# Altium PCB ReconProbe.PcbDoc (part 4 of 4)
Units mm, origin at the board's own origin, x right, y up, seen from the top; angles counter-clockwise.
Board outline 177 x 102.23 mm, 4 copper layers (Top Layer, Layer 2, Layer 3, Bottom Layer), stack 1.624 mm thick; 383 components, 277 nets, 1385 pads, 589 vias.
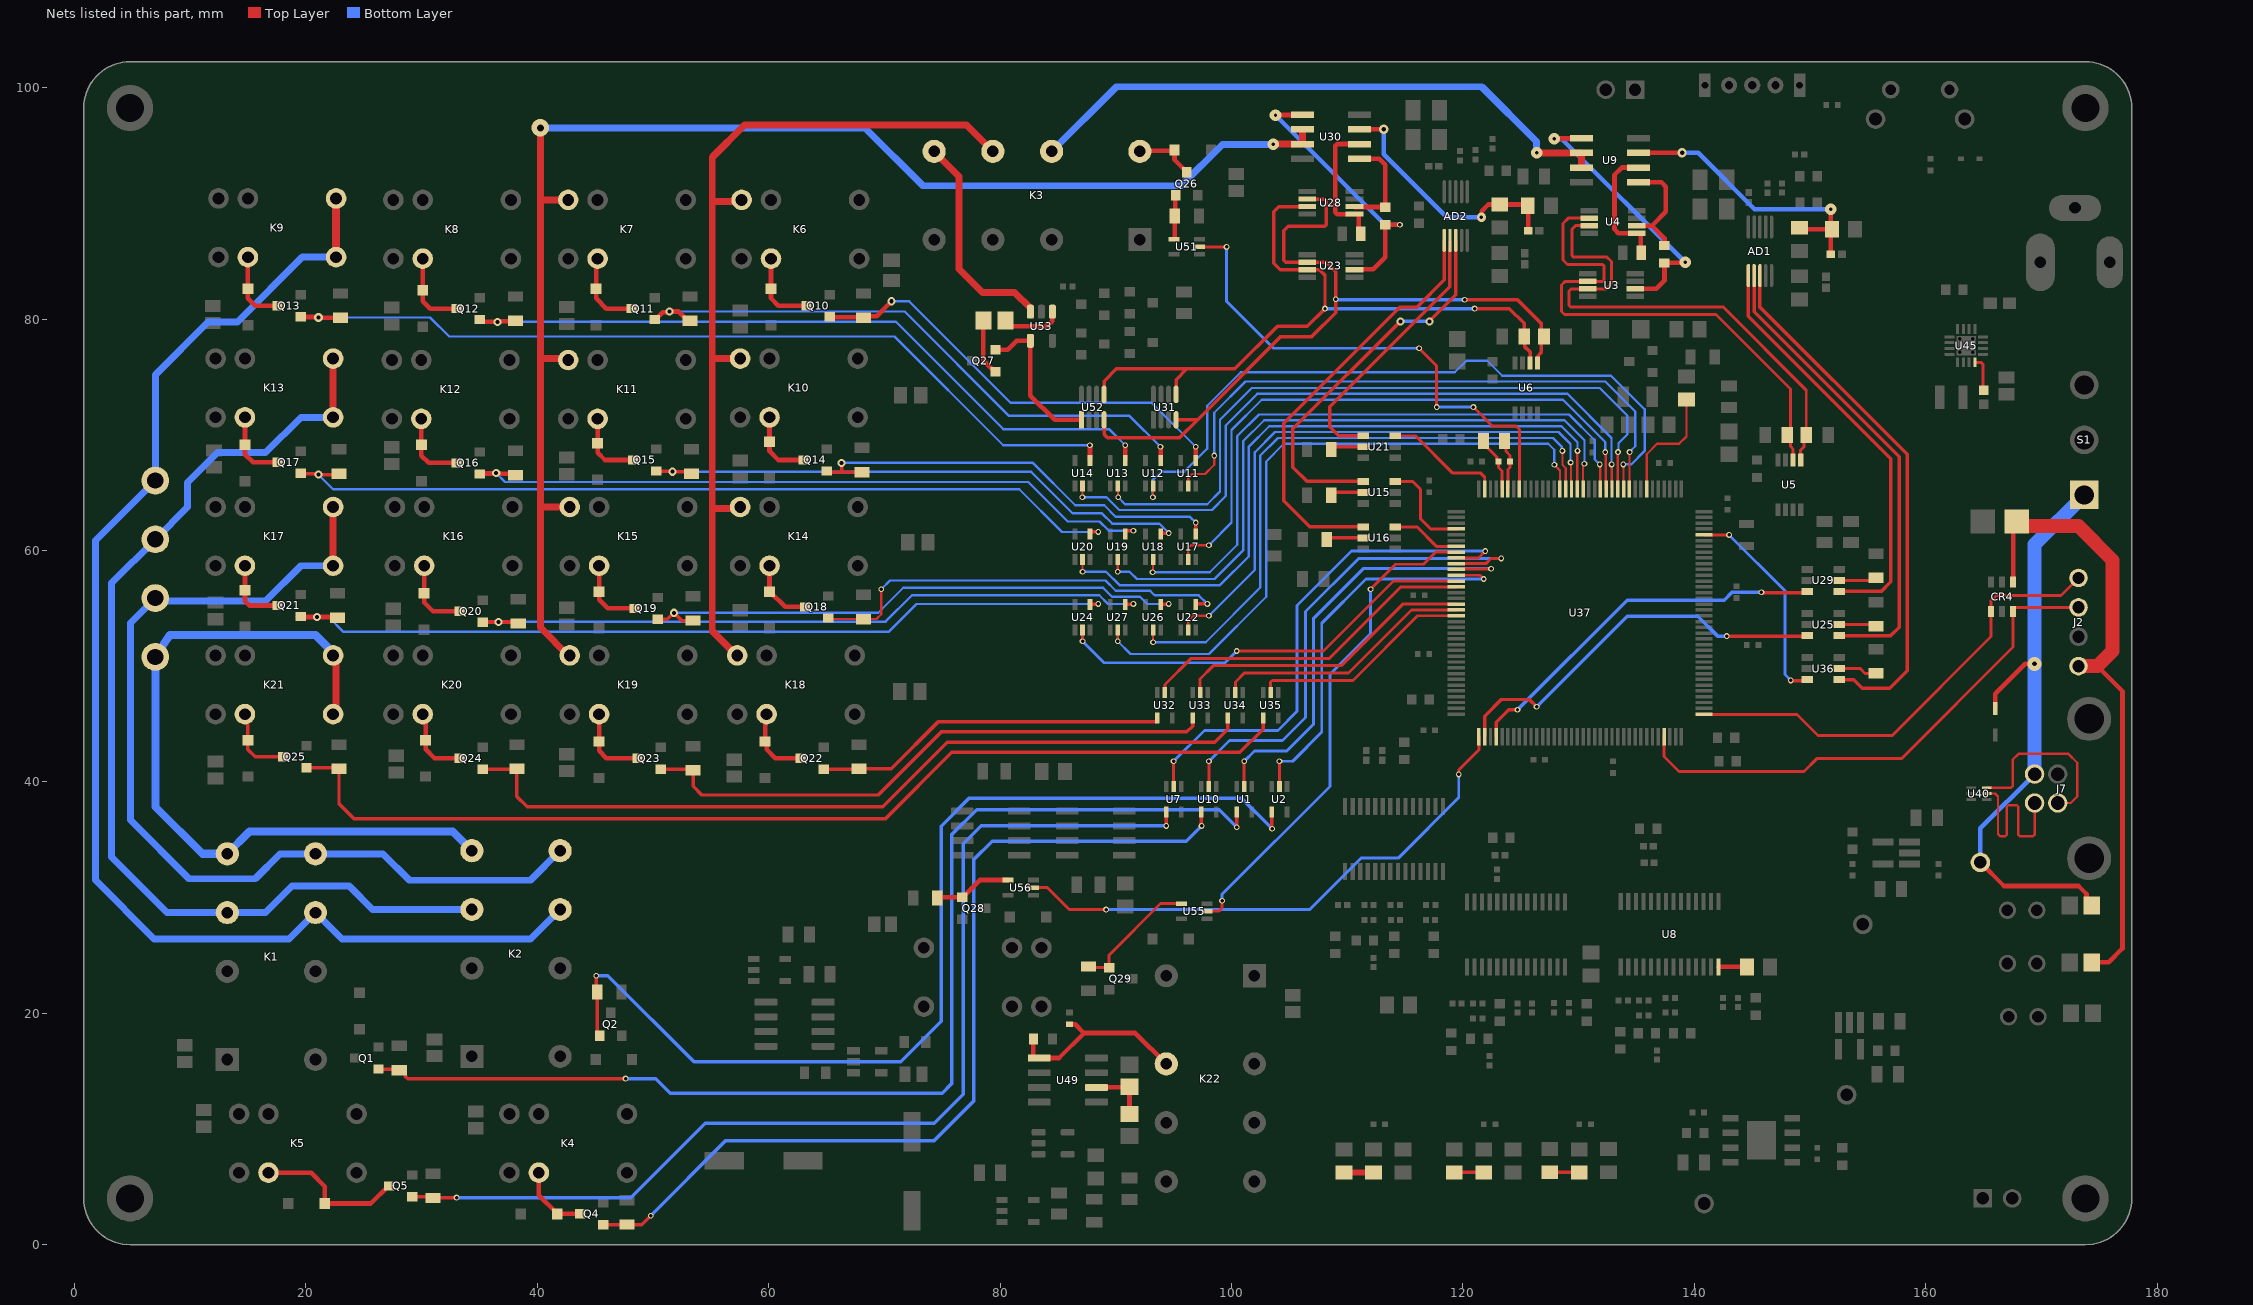
[diagram p6: the nets of this part, all layers, seen from the top]

## Via types
v1: diameter 0.5, hole 0.3, Top Layer to Bottom Layer, 283 vias
v2: diameter 0.7, hole 0.3, Top Layer to Bottom Layer, 155 vias
v3: diameter 0.7, hole 0.35, Top Layer to Bottom Layer, 85 vias
v4: diameter 1, hole 0.3, Top Layer to Bottom Layer, 24 vias
v5: diameter 0.8, hole 0.3, Top Layer to Bottom Layer, 16 vias
v6: diameter 1.2, hole 0.3, Top Layer to Bottom Layer, 7 vias
v7: diameter 0.8, hole 0.4, Top Layer to Bottom Layer, 4 vias
v8: diameter 1, hole 0.35, Top Layer to Bottom Layer, 4 vias
v9: diameter 1, hole 0.4, Top Layer to Bottom Layer, 4 vias
v10: diameter 1.2, hole 0.5, Top Layer to Bottom Layer, 2 vias
v11: diameter 1.5, hole 0.6, Top Layer to Bottom Layer, 2 vias
v12: diameter 1.2, hole 0.35, Top Layer to Bottom Layer, 1 vias
v13: diameter 1.2, hole 0.4, Top Layer to Bottom Layer, 1 vias
v14: diameter 0.8, hole 0.35, Top Layer to Bottom Layer, 1 vias

## Nets (pads, with @x,y where several pads share a name; then routed paths per layer and width w, separated by ;. In a path a pad name is that pad's centre, name@x,y a point inside that pad or via, vN(x,y) a via of type N, cw(c..) or ccw(c..) an arc to the next point about the centre after c; other vN are vias at no path point) (continued)
NetQ27_1: Q27.1 R68.2 | length 4.9
  Top Layer w0.4: R68.2@78.552,79.883 78.552,76.448 79.55,75.45 Q27.1@79.6,75.45
NetQ27_2: Q27.2 U52.1 U53.4 | length 13.4
  Top Layer w0.4: Q27.2@79.6,77.35 80.65,77.35 81.42,78.12 U53.4@82.616,78.12 82.616,73.384 84.71,71.29 U52.1@87.036,71.29
NetR10_2: R10.2 U15.5 | length 2.9
  Top Layer w0.3: R10.2@108.619,64.77 108.873,65.024 U15.5@111.401,65.024
NetR11_1: R11.1 U45.4 | length 3.1
  Top Layer w0.25: U45.4@164.25,76.225 164.815,76.225 164.961,76.079 164.961,74.121 R11.1@165.239,73.843
NetR12_2: R12.2 U16.5 | length 3
  Top Layer w0.3: R12.2@108.492,60.96 108.619,61.087 U16.5@111.401,61.087
NetR13_2: R13.2 U21.5 | length 2.9
  Top Layer w0.3: R13.2@108.619,68.707 108.873,68.961 U21.5@111.401,68.961
NetR14_2: R14.2 U25.5 | length 3.3
  Top Layer w0.254: U25.5@152.505,53.594 155.541,53.594 R14.2@155.702,53.433
NetR17_2: R17.2 U29.5 | length 3.3
  Top Layer w0.254: U29.5@152.505,57.404 155.482,57.404 R17.2@155.702,57.624
NetR19_2: R19.2 U36.5 | length 3.4
  Top Layer w0.254: U36.5@152.505,49.784 154.344,49.784 154.759,49.369 R19.2@155.702,49.369
NetR20_1: R20.1 R21.2 | length 2.5
  Top Layer w0.5: R20.1@109.728,6.223 109.736,6.231 112.26,6.231 R21.2@112.268,6.239
NetR28_1: R28.1 R30.2 | length 2.5
  Top Layer w0.3: R28.1@119.253,6.239 121.777,6.239 R30.2@121.793,6.223
NetR41_2: R41.2 U8.14 | length 2.5
  Top Layer w0.4: U8.14@142.091,24.003 R41.2@144.542,24.003
NetR60_2: R60.2 R61.2 U49.6 | length 5.1
  Top Layer w0.4: U49.6@88.322,13.589 91.12,13.589 91.186,13.523 R61.2@91.186,11.303
NetR68_1: R68.1 U53.1 | length 5.3
  Top Layer w0.4: R68.1@80.452,79.883 80.452,79.875 R68.1@80.952,79.375 ; R68.1@80.952,79.502 R68.1@80.952,79.375 ; U53.1@84.516,80.575 84.516,79.817 84.074,79.375 R68.1@80.952,79.375
NetR74_1: R74.1 R75.2 | length 2.5
  Top Layer w0.3: R74.1@127.508,6.255 130.032,6.255 R75.2@130.048,6.239
OP1INV1: R8.2 U4.5 U9.2 | length 11.1
  Top Layer w0.4: U9.2@135.179,93.091 133.731,93.091 133.096,92.456 133.096,87.757 133.436,87.417 135.303,87.417 135.382,87.338 R8.2@135.382,85.717
OP1NINV1: C7.1 R9.1 R67.1 U9.3 | length 25.5
  Top Layer w0.4: U9.3@135.179,94.361 v7(138.938,94.361) ; R9.1@149.098,87.884 149.225,87.757 R67.1@151.892,87.757 ; C7.1@151.794,85.598 151.794,87.659 R67.1@151.892,87.757 ; v4(151.8,89.5) 151.8,87.849 R67.1@151.892,87.757
  Bottom Layer w0.4: v7(138.938,94.361) 140.339,94.361 145.2,89.5 v4(151.8,89.5)
OP1OF: C8.2 U3.6 U9.5 | length 24.3
  Top Layer w0.3: v4(127.893,95.57) v4@127.923,95.601 ; U9.5@130.221,95.601 U9.5@130.251,95.631
  Top Layer w0.4: v4@127.923,95.601 U9.5@130.221,95.601 ; U3.6@134.887,82.606 136.708,82.606 137.414,83.312 C8.2@137.414,84.848 137.438,84.824 137.488,84.874 139.174,84.874 v4(139.2,84.9)
  Bottom Layer w0.4: v4(127.893,95.57) 127.921,95.542 128.558,95.542 v4(139.2,84.9)
OP1OUT1: C8.1 U4.6 U9.1 | length 9.9
  Top Layer w0.4: U4.6@135.013,88.067 136.342,88.067 ; U9.1@135.179,91.821 137.16,91.821 137.541,91.44 137.541,89.266 136.342,88.067 ; C8.1@137.414,86.348 137.414,86.995 136.342,88.067
OP2INV1: R15.1 U28.5 U30.2 | length 11.7
  Top Layer w0.4: R15.1@110.998,87.32 110.998,88.989 110.919,89.068 109.127,89.068 108.966,89.229 108.966,94.962 109.127,95.123 U30.2@111.049,95.123
OP2NINV1: C16.1 R18.1 R81.2 U30.3 | length 21.2
  Top Layer w0.4: U30.3@111.938,96.393 v7(113.157,96.393) ; v5(121.6,88.8) 121.626,88.826 121.626,89.326 122.2,89.9 R18.1@123.19,89.9 ; R18.1@123.065,89.9 125.492,89.9 125.632,89.76 C16.1@125.632,87.63
  Bottom Layer w0.4: v7(113.157,96.393) 113.157,94.243 118.6,88.8 v5(121.6,88.8)
OP2OF: C17.2 U23.6 U30.5 | length 24.7
  Top Layer w0.3: v4(103.8,97.6) v4@103.831,97.631 ; U30.5@106.09,97.631 U30.5@106.121,97.663
  Top Layer w0.4: v4@103.831,97.631 U30.5@106.09,97.631 ; U23.6@110.087,84.294 112.234,84.294 113.284,85.344 C17.2@113.284,88.15 113.29,88.144 114.548,88.144 v1(114.554,88.138)
  Bottom Layer w0.4: v4(103.8,97.6) 113.262,88.138 v1(114.554,88.138)
OP2OUT1: C17.1 U28.6 U30.1 | length 8.8
  Top Layer w0.4: U28.6@110.629,89.718 110.663,89.684 113.25,89.684 C17.1@113.284,89.65 113.284,93.345 112.776,93.853 U30.1@111.049,93.853
PROBE1: K1.3 K2.3 K9.3 K9.4 pad.5@6.985,66.04 | length 116
  Top Layer w0.7: K9.3@22.606,85.344 K9.4@22.606,90.424
  Bottom Layer w0.6: K9.3@22.606,85.344 19.685,85.344 14.097,79.756 11.556,79.756 6.985,75.185 pad.5@6.985,66.04 1.8,60.855 1.8,31.5 6.884,26.416 18.542,26.416 K1.3@20.828,28.702 23.114,26.416 39.416,26.416 K2.3@41.967,28.967
PROBE2: K1.6 K2.6 K13.3 K13.4 pad.5@6.985,60.96 | length 90
  Top Layer w0.6: K13.3@22.352,71.501 K13.4@22.352,76.581
  Bottom Layer w0.6: K13.3@22.352,71.501 19.558,71.501 16.51,68.453 12.353,68.453 9.779,65.879 9.779,63.754 pad.5@6.985,60.96 3.2,57.175 3.2,33.503 8.001,28.702 K1.6@13.208,28.702 16.51,28.702 18.796,30.988 23.749,30.988 25.77,28.967 K2.6@34.347,28.967
PROBE3: K1.4 K2.4 K17.3 K17.4 pad.5@6.985,55.88 | length 84.2
  Top Layer w0.6: K17.3@22.352,58.42 K17.3@22.352,58.674 K17.4@22.352,63.754 K17.4@22.352,63.825
  Bottom Layer w0.6: pad.5@6.985,55.626 16.51,55.626 19.558,58.674 K17.3@22.352,58.674 ; pad.5@6.985,55.88 4.826,53.721 4.826,36.703 9.906,31.623 15.621,31.623 17.78,33.782 K1.4@20.828,33.782 26.67,33.782 28.956,31.496 39.416,31.496 K2.4@41.967,34.047
PROBE4: K1.5 K2.5 K21.3 K21.4 pad.5@6.985,50.8 | length 65.9
  Top Layer w0.6: K21.3@22.606,45.847 K21.4@22.606,50.927
  Bottom Layer w0.7: K21.4@22.606,50.927 20.828,52.705 8.255,52.705 pad.5@6.985,50.8 6.985,37.846 11.049,33.782 K1.5@13.208,33.782 15.126,35.7 32.694,35.7 K2.5@34.347,34.047
PROBE_V1: K3.3 K6.6 K10.6 K14.6 K18.6 | length 77.9
  Top Layer w0.6: K14.6@57.128,63.903 K14.6@57.277,63.754 ; K18.6@57.15,50.927 57.15,51.004 55.118,53.036 55.118,63.627 ; K14.6@57.531,63.754 57.404,63.627 55.118,63.627 ; K10.6@57.531,76.581 55.118,76.581 ; K6.6@57.658,90.297 57.531,90.17 55.118,90.17 ; K3.3@79.375,94.488 77.089,96.774 57.912,96.774 55.118,93.98 55.118,90.17 ; 55.118,63.627 55.118,76.581 ; 55.118,76.581 55.118,90.17
PROBE_V2: K7.6 K11.6 K15.6 K19.6 U30.6 U30.7 | length 124.9
  Top Layer w0.6: v11(40.259,96.52) 40.259,90.297 ; K11.6@42.672,76.454 42.523,76.603 40.364,76.603 40.259,76.708 ; K7.6@42.672,90.297 40.259,90.297 ; K19.6@42.799,50.8 40.259,53.34 40.259,63.754 ; K15.6@42.799,63.754 40.259,63.754 ; v4(103.6,95.1) 103.611,95.111 106.11,95.111 U30.7@106.121,95.123 U30.6@106.121,96.372 ; 40.259,63.754 40.259,76.708 ; 40.259,76.708 40.259,90.297
  Bottom Layer w0.6: v11(40.259,96.52) 68.326,96.52 73.33,91.516 95.616,91.516 99.2,95.1 v4(103.6,95.1)
Rel1: D9.1 K6.2 Q10.3 | length 6.8
  Top Layer w0.4: K6.2@60.198,85.217 D9.1@60.198,82.601 60.198,81.788 60.833,81.153 Q10.3@63.262,81.153
Rel2: D7.1 K7.2 Q11.3 | length 6.9
  Top Layer w0.4: K7.2@45.212,85.217 45.085,85.09 D7.1@45.085,82.601 45.085,81.788 45.974,80.899 Q11.3@48.149,80.899
Rel3: D8.1 K8.2 Q12.3 | length 6.9
  Top Layer w0.4: K8.2@30.099,85.217 D8.1@30.099,82.474 30.099,81.534 30.734,80.899 Q12.3@33.036,80.899
Rel4: D6.1 K9.2 Q13.3 | length 6.4
  Top Layer w0.4: K9.2@14.986,85.344 D6.1@14.986,82.601 14.986,81.788 15.621,81.153 Q13.3@17.542,81.153
Rel5: D13.1 K10.2 Q14.3 | length 6.2
  Top Layer w0.4: K10.2@60.071,71.501 D13.1@60.071,69.393 60.071,68.58 60.833,67.818 Q14.3@63.008,67.818
Rel6: D11.1 K11.2 Q15.3 | length 6.2
  Top Layer w0.4: K11.2@45.212,71.374 D11.1@45.212,69.266 45.212,68.453 45.847,67.818 Q15.3@48.276,67.818
Rel7: D12.1 K12.2 Q16.3 | length 6.5
  Top Layer w0.4: K12.2@29.972,71.374 D12.1@29.972,69.139 29.972,68.199 30.607,67.564 Q16.3@33.036,67.564
Rel8: D10.1 K13.2 Q17.3 | length 6.3
  Top Layer w0.4: K13.2@14.732,71.501 D10.1@14.732,69.139 14.732,68.326 15.433,67.625 Q17.3@17.558,67.625
Rel9: D17.1 K14.2 Q18.3 | length 5.8
  Top Layer w0.4: K14.2@60.071,58.674 D17.1@60.071,56.439 60.096,56.439 61.417,55.118 Q18.3@63.135,55.118
Rel10: D15.1 K15.2 Q19.3 | length 6.3
  Top Layer w0.4: K15.2@45.339,58.674 D15.1@45.339,56.439 45.363,56.415 45.363,55.729 46.101,54.991 Q19.3@48.403,54.991
Rel11: D16.1 K16.2 Q20.3 | length 6.6
  Top Layer w0.4: K16.2@30.226,58.674 D16.1@30.226,56.312 30.226,55.499 30.988,54.737 Q20.3@33.29,54.737
Rel12: D14.1 K17.2 Q21.3 | length 5.8
  Top Layer w0.4: K17.2@14.732,58.674 D14.1@14.732,56.566 14.732,55.626 15.113,55.245 Q21.3@17.288,55.245
Rel13: D21.1 K18.2 Q22.3 | length 6.4
  Top Layer w0.4: K18.2@59.69,45.847 D21.1@59.69,43.485 59.82,43.355 59.82,42.796 60.579,42.037 Q22.3@62.754,42.037
Rel14: D19.1 K19.2 Q23.3 | length 6.8
  Top Layer w0.4: K19.2@45.339,45.847 D19.1@45.339,43.485 45.339,42.672 45.974,42.037 Q23.3@48.657,42.037
Rel15: D20.1 K20.2 Q24.3 | length 6.4
  Top Layer w0.4: K20.2@30.099,45.847 30.353,45.593 D20.1@30.353,43.612 30.353,42.799 31.115,42.037 Q24.3@33.29,42.037
Rel16: D18.1 K21.2 Q25.3 | length 6.5
  Top Layer w0.3: D18.1@14.982,43.612 K21.2@14.982,45.597 ; D18.1@15.011,43.612 D18.1@14.986,43.612 14.986,42.799 15.621,42.164 Q25.3@18.05,42.164
  Top Layer w0.4: K21.2@14.732,45.847 K21.2@14.982,45.597
REL17: D4.1 K5.2 Q5.3 | length 13
  Top Layer w0.4: K5.2@16.764,6.223 20.447,6.223 21.641,5.029 D4.1@21.641,3.556 25.62,3.556 27.144,5.08 Q5.3@27.194,5.08
REL18: D5.1 K4.2 Q4.3 | length 6.2
  Top Layer w0.4: K4.2@40.132,6.223 40.132,4.267 41.707,2.692 D5.1@41.707,2.667 Q4.3@43.704,2.667
REL21: D24.1 K3.1 Q26.3 | length 5.4
  Top Layer w0.4: K3.1@92.075,94.488 92.138,94.551 95.008,94.551 D24.1@95.072,94.615 95.072,93.761 95.889,92.944 95.939,92.944 96.139,92.744 Q26.3@96.139,92.694
SL_SPI1_NSS: AD2.8 U15.4 | length 33.5
  Top Layer w0.3: U15.4@111.401,65.974 106.526,65.974 105.3,67.2 105.3,70.5 v3(114.6,79.8) ; v3(117.1,79.8) 119.38,82.08 AD2.8@119.38,86.791
  Bottom Layer w0.3: v3(114.6,79.8) v3(117.1,79.8)
SL_SPI1_SCK: AD2.7 U21.4 | length 23.4
  Top Layer w0.3: U21.4@111.274,69.911 109.264,69.911 108.501,70.674 108.501,72.401 118.872,82.772 118.872,85.942 118.88,85.95 AD2.7@118.88,86.71
SL_SPI1_SDA: AD2.6 U16.4 | length 37
  Top Layer w0.3: U16.4@111.401,62.037 106.746,62.037 104.5,64.283 104.5,71 114.526,81.026 116.026,81.026 118.38,83.38 AD2.6@118.38,86.8
SL_SPI2_NSS: AD1.8 U36.4 | length 47
  Top Layer w0.3: AD1.8@145.669,84.514 145.669,81.026 158.4,68.295 158.4,49.6 156.9,48.1 154.5,48.1 153.766,48.834 U36.4@152.505,48.834
SL_SPI2_SCK: AD1.7 U25.4 | length 41.8
  Top Layer w0.3: AD1.7@145.169,84.514 145.169,80.631 157.7,68.1 157.7,53.372 156.972,52.644 U25.4@152.505,52.644
SL_SPI2_SDA: AD1.6 U29.4 | length 37.1
  Top Layer w0.3: AD1.6@144.669,84.514 144.669,80.231 156.972,67.928 156.972,57.277 156.149,56.454 U29.4@152.505,56.454
SLI2C1_SCL: R3.2 U3.2 U4.2 U5.6 | length 45.8
  Top Layer w0.25: U4.2@130.925,88.717 129.103,88.717 128.651,88.265 128.651,85.09 129.032,84.709 132.075,84.709 132.207,84.577 132.207,83.388 132.075,83.256 128.849,83.256 128.524,82.931 128.524,80.645 128.778,80.391 141.859,80.391 148.3,73.95 148.3,70.26 R3.2@148.017,69.977 148.324,69.67 148.324,68.973 148.534,68.763 U5.6@148.534,67.805
SLI2C1_SDA: R4.2 U3.3 U4.3 U5.5 | length 44.5
  Top Layer w0.25: U4.3@130.925,88.067 129.723,88.067 129.413,87.757 129.413,85.476 129.545,85.344 132.461,85.344 132.842,84.963 132.842,83.058 132.39,82.606 U3.3@130.797,82.606 129.342,82.606 129.159,82.423 129.159,81.158 129.291,81.026 142.494,81.026 149.671,73.849 R4.2@149.671,69.977 149.479,69.785 149.479,68.961 149.184,68.666 U5.5@149.184,67.805
SLI2C3_SCL: R6.2 U6.5 U23.2 U28.2 U31.4 U52.4 | length 68.8
  Top Layer w0.3: U52.4@88.986,71.29 88.986,70.018 89.281,69.723 95.504,69.723 97.071,71.29 ; U31.4@95.209,71.29 97.071,71.29 ; U28.2@106.541,90.368 108.006,90.368 108.204,90.17 108.204,88.172 108.043,88.011 104.902,88.011 104.521,87.63 104.521,85.09 104.704,84.907 U23.2@106.54,84.907 108.193,84.907 109,84.1 v1(109,81.7) 109,80.552 106.934,78.486 104.267,78.486 97.071,71.29 ; v1(120.142,81.661) 124.714,81.661 126.749,79.626 126.749,77.092 126.451,76.794 U6.5@126.451,76.187 U6.5@126.451,75.946
  Bottom Layer w0.3: v1(109,81.7) 109.02,81.68 120.123,81.68 v1(120.142,81.661)
SLI2C3_SDA: R5.2 U6.6 U23.3 U28.3 U31.5 U52.5 | length 62.5
  Top Layer w0.3: U52.5@88.986,73.49 88.986,74.635 90.043,75.692 96.139,75.692 ; U31.5@95.209,73.49 95.209,74.762 96.139,75.692 ; U28.3@106.541,89.718 104.069,89.718 103.632,89.281 103.632,84.836 104.211,84.257 U23.3@106.54,84.257 107.596,84.257 108.077,83.776 v1(108.077,80.899) 106.553,79.375 103.975,79.375 100.292,75.692 96.139,75.692 ; v1(120.999,80.9) 124.013,80.9 125.284,79.629 R5.2@125.284,78.486 ; R5.2@124.968,78.486 125.321,78.133 125.321,77.625 125.801,77.145 U6.6@125.801,76.187 U6.6@125.801,75.946
  Bottom Layer w0.3: v1(108.077,80.899) v1(120.999,80.9)
SNI1: U11.2 U37.10 | length 53.4
  Top Layer w0.2: U11.2@96.266,65.575 96.268,65.577 96.268,66.268 96.6,66.6 97.7,66.6 98.5,67.4 v1(98.5,68.2) ; U37.10@134.382,65.306 134.4,65.324 v1(134.4,68.5)
  Bottom Layer w0.2: v1(98.5,68.2) 98.5,71.9 101.2,74.6 132.3,74.6 134.9,72 134.9,69 v1(134.4,68.5)
SNI2: U12.2 U37.11 | length 61.2
  Top Layer w0.2: v1(93.2,64.596) 93.209,64.605 93.209,65.566 U12.2@93.218,65.575 ; v1(133.858,67.437) 133.87,67.425 133.87,65.318 U37.11@133.882,65.306
  Bottom Layer w0.2: v1(93.2,64.596) 93.2,66.1 93.9,66.8 95.9,66.8 97.9,68.8 97.9,72.5 100.8,75.4 119.3,75.4 120.3,76.4 122.1,76.4 123.4,75.1 132.8,75.1 135.7,72.2 135.7,68.6 134.537,67.437 v1(133.858,67.437)
SNI3: U13.2 U37.12 | length 60.7
  Top Layer w0.2: U13.2@90.17,65.575 90.185,65.56 90.185,64.611 v1(90.2,64.596) ; U37.12@133.382,65.306 133.382,68.482 v1(133.4,68.5)
  Bottom Layer w0.2: v1(90.2,64.596) 90.796,64 97.9,64 99,65.1 99,71.3 101.741,74.041 131.826,74.041 134.2,71.667 134.2,70.015 133.443,69.257 133.443,68.543 v1(133.4,68.5)
SNI4: U14.2 U37.13 | length 60.9
  Top Layer w0.2: v1(87.108,64.596) 87.122,64.61 U14.2@87.122,65.575 ; v1(132.842,67.437) 132.862,67.417 132.862,65.326 U37.13@132.882,65.306
  Bottom Layer w0.2: v1(87.108,64.596) 89.201,64.596 90.297,63.5 98.3,63.5 99.5,64.7 99.5,70.798 102.235,73.533 129.032,73.533 132.842,69.723 v1(132.842,67.437)
SNI5: U17.2 U37.14 | length 52.6
  Top Layer w0.2: U17.2@96.266,59.225 96.266,60.198 96.52,60.452 v1(98.044,60.452) ; v1(132.3,68.5) 132.341,68.459 132.341,65.347 U37.14@132.382,65.306
  Bottom Layer w0.2: v1(98.044,60.452) 100,62.408 100,70.409 102.616,73.025 128.651,73.025 132.3,69.376 v1(132.3,68.5)
SNI6: U18.2 U37.15 | length 55.8
  Top Layer w0.2: v1(93.172,58.12) 93.218,58.166 U18.2@93.218,59.225 ; v1(131.826,67.437) 131.854,67.409 131.854,65.334 U37.15@131.882,65.306
  Bottom Layer w0.2: v1(93.172,58.12) 98.125,58.12 100.5,60.495 100.5,69.893 102.362,71.755 129.159,71.755 131.4,69.514 131.4,67.863 v1(131.826,67.437)
SNI7: U19.2 U37.18 | length 57.8
  Top Layer w0.2: v1(90.17,58.166) U19.2@90.17,59.225 ; U37.18@130.382,65.306 130.382,67.301 130.5,67.419 v1(130.5,67.5)
  Bottom Layer w0.2: v1(90.17,58.166) 91.186,58.166 91.821,57.531 98.531,57.531 101,60 101,69.427 102.82,71.247 128.778,71.247 130.5,69.525 v1(130.5,67.5)
SNI8: U20.2 U37.19 | length 60.2
  Top Layer w0.2: v1(87.122,58.166) U20.2@87.122,59.225 ; U37.19@129.882,65.306 129.891,65.315 129.891,68.591 v1(129.9,68.6)
  Top Layer w0.25: U37.19@129.882,65.306 U37.19@129.91,65.278
  Bottom Layer w0.2: v1(87.122,58.166) 89.154,58.166 90.32,57 99,57 101.5,59.5 101.5,68.988 103.251,70.739 128.524,70.739 129.906,69.357 129.906,69.096 129.9,69.09 v1(129.9,68.6)
SNI9: U22.2 U37.20 | length 50.9
  Top Layer w0.2: U22.2@96.266,53.129 96.266,53.904 96.718,54.356 v1(98.044,54.356) ; v1(129.3,67.6) 129.341,67.559 129.341,65.347 U37.20@129.382,65.306
  Bottom Layer w0.2: v1(98.044,54.356) 102,58.312 102,68.472 103.759,70.231 128.27,70.231 129.3,69.201 v1(129.3,67.6)
SNI10: U26.2 U37.21 | length 54.5
  Top Layer w0.2: v1(93.218,52.07) U26.2@93.218,53.129 ; v1(128.6,68.6) 128.6,67.4 128.891,67.109 128.891,65.315 U37.21@128.882,65.306
  Bottom Layer w0.2: v1(93.218,52.07) 97.77,52.07 102.489,56.789 102.489,68.199 104.013,69.723 127.777,69.723 128.551,68.949 128.551,68.649 v1(128.6,68.6)
SNI11: U27.2 U37.22 | length 57.3
  Top Layer w0.2: v1(90.17,52.15) U27.2@90.17,53.129 ; v1(127.9,67.4) 128.382,66.918 U37.22@128.382,65.306
  Bottom Layer w0.2: v1(90.17,52.15) 91.266,51.054 98.054,51.054 102.997,55.997 102.997,67.691 104.521,69.215 127.381,69.215 127.9,68.696 v1(127.9,67.4)
SNI12: U24.2 U37.49 | length 37
  Top Layer w0.25: v1(87.122,52.15) U24.2@87.122,53.129 ; v1(100.457,51.308) 107.95,51.308 113.998,57.356 U37.49@119.432,57.356
  Bottom Layer w0.25: v1(87.122,52.15) 88.98,50.292 99.441,50.292 v1(100.457,51.308)
SNI13: U32.2 U37.50 | length 29.4
  Top Layer w0.25: U32.2@94.234,47.709 94.248,47.723 94.248,48.401 96.52,50.673 108.458,50.673 114.641,56.856 U37.50@119.432,56.856
SNI14: U33.2 U37.53 | length 26
  Top Layer w0.25: U33.2@97.282,47.709 97.282,48.895 98.425,50.038 109.474,50.038 114.792,55.356 U37.53@119.432,55.356
SNI15: U34.2 U37.54 | length 22.6
  Top Layer w0.25: U34.2@100.33,47.709 100.33,48.641 101.092,49.403 110.109,49.403 115.562,54.856 U37.54@119.432,54.856
SNI16: U35.2 U37.55 | length 19.3
  Top Layer w0.25: U35.2@103.378,47.709 103.378,48.622 103.524,48.768 110.49,48.768 116.078,54.356 U37.55@119.432,54.356
SNI17: U7.2 U37.45 | length 44.7
  Top Layer w0.25: U7.2@94.996,39.581 v1(94.996,41.783) ; U37.45@119.432,59.356 121.332,59.356 v1(121.92,59.944)
  Bottom Layer w0.25: v1(94.996,41.783) 97.663,44.45 104.013,44.45 105.664,46.101 105.664,55.245 110.363,59.944 v1(121.92,59.944)
SNI18: U10.2 U37.46 | length 44.2
  Top Layer w0.25: U10.2@98.044,39.581 v1(98.044,41.783) ; U37.46@119.432,58.856 121.975,58.856 122.428,59.309 v1(123.317,59.309)
  Bottom Layer w0.25: v1(98.044,41.783) 99.822,43.561 104.394,43.561 106.4,45.567 106.4,54.711 110.998,59.309 v1(123.317,59.309)
SNI19: U1.2 U37.47 | length 38.8
  Top Layer w0.254: U1.2@101.092,39.581 v1(101.092,41.783) ; U37.47@119.432,58.356 119.455,58.379 122.387,58.379 v1(122.428,58.42)
  Bottom Layer w0.254: v1(101.092,41.783) 101.981,42.672 104.775,42.672 107.1,44.997 107.1,54.141 111.379,58.42 v1(122.428,58.42)
SNI20: U2.2 U37.48 | length 34.4
  Top Layer w0.25: U2.2@104.14,39.581 v1(104.14,41.783) ; U37.48@119.432,57.856 121.468,57.856 v1(121.793,57.531)
  Bottom Layer w0.25: v1(104.14,41.783) 105.283,41.783 107.8,44.3 107.8,53.7 111.631,57.531 v1(121.793,57.531)
SNI21: U37.29 U51.2 | length 44.2
  Top Layer w0.25: U51.2@97.239,86.233 v1(99.568,86.233) ; v1(116.205,77.47) 117.729,75.946 v1(117.729,72.39) ; v1(120.904,72.39) 122.555,70.739 124.587,70.739 124.882,70.444 U37.29@124.882,65.306
  Bottom Layer w0.25: v1(99.568,86.233) 99.568,81.534 103.632,77.47 v1(116.205,77.47) ; v1(117.729,72.39) v1(120.904,72.39)
SNI22: U37.44 U55.2 | length 43
  Top Layer w0.25: U55.2@97.874,28.829 98.933,28.829 99.187,29.083 v1(99.187,29.718) ; v1(112.014,56.642) 114.173,58.801 116.586,58.801 117.641,59.856 U37.44@119.432,59.856
  Bottom Layer w0.25: v1(99.187,29.718) 99.187,30.287 108.5,39.6 108.5,49.3 112.014,52.814 v1(112.014,56.642)
SNI23: U37.73 U56.2 | length 47.5
  Top Layer w0.25: U56.2@82.888,30.861 84.074,30.861 85.979,28.956 v1(89.154,28.956) ; v1(119.634,40.64) 119.635,40.641 119.635,41.022 121.382,42.769 U37.73@121.382,43.906
  Bottom Layer w0.25: v1(89.154,28.956) 106.756,28.956 111.201,33.401 114.401,33.401 119.634,38.634 v1(119.634,40.64)
SNO1: Q10.1 R44.1 U11.4 | length 38.7
  Top Layer w0.4: Q10.1@65.262,80.203 65.312,80.153 68.149,80.153 R44.1@68.199,80.103 68.348,80.252 69.33,80.252 v3(70.612,81.534) ; v1(96.901,68.961) 96.916,68.946 U11.4@96.916,67.775
  Bottom Layer w0.2: v3(70.612,81.534) 72.136,81.534 80.899,72.771 93.091,72.771 v1(96.901,68.961)
SNO2: Q11.1 R45.1 U12.4 | length 52.1
  Top Layer w0.4: Q11.1@50.149,79.949 50.199,79.949 50.838,80.588 51.378,80.588 v3(51.435,80.645) 52.217,80.645 53.013,79.849 R45.1@53.213,79.849 ; v1(93.853,68.961) 93.868,68.946 U12.4@93.868,67.775
  Bottom Layer w0.2: v3(51.435,80.645) 71.755,80.645 80.772,71.628 91.186,71.628 v1(93.853,68.961)
SNO3: Q12.1 R46.2 U13.4 | length 63.1
  Top Layer w0.4: Q12.1@35.036,79.949 35.229,79.756 v3(36.576,79.756) 36.622,79.802 38.054,79.802 R46.2@38.1,79.849 ; v1(90.805,69.088) 90.82,69.073 U13.4@90.82,67.775
  Bottom Layer w0.2: v3(36.576,79.756) 70.993,79.756 80.264,70.485 89.408,70.485 v1(90.805,69.088)
SNO4: Q13.1 R47.2 U14.4 | length 76.1
  Top Layer w0.4: Q13.1@19.542,80.203 19.575,80.17 21.049,80.17 v14(21.082,80.137) 21.099,80.12 22.97,80.12 R47.2@22.987,80.103 ; v1(87.757,69.088) 87.772,69.073 U14.4@87.772,67.775
  Bottom Layer w0.2: v14(21.082,80.137) 30.734,80.137 32.385,78.486 70.866,78.486 80.264,69.088 v1(87.757,69.088)
SNO5: Q14.1 R48.2 U17.4 | length 37.6
  Top Layer w0.3: Q14.1@65.008,66.868 65.108,66.768 66.294,66.768 ; v3(66.294,67.564) 66.294,66.768 ; R48.2@68.072,66.768 66.294,66.768 ; v1(96.9,62.404) 96.908,62.396 96.908,61.433 U17.4@96.916,61.425
  Bottom Layer w0.2: v3(66.294,67.564) 82.836,67.564 86.5,63.9 89,63.9 90,62.9 96.404,62.9 v1(96.9,62.404)
SNO6: Q15.1 R49.2 U18.4 | length 48.9
  Top Layer w0.3: Q15.1@50.276,66.868 50.309,66.835 51.656,66.835 v3(51.689,66.802) 53.306,66.802 R49.2@53.34,66.768 ; U18.4@93.853,61.468 93.885,61.5 v1(94.572,61.5)
  Bottom Layer w0.2: v3(51.689,66.802) 82.677,66.802 86.279,63.2 88.8,63.2 89.7,62.3 93.772,62.3 v1(94.572,61.5)
SNO7: Q16.1 R50.2 U19.4 | length 61.2
  Top Layer w0.3: U19.4@90.82,61.425 90.82,61.65 90.87,61.7 v1(91.524,61.7)
  Top Layer w0.4: Q16.1@35.036,66.614 35.067,66.644 36.418,66.644 v3(36.449,66.675) 36.506,66.618 38.077,66.618 R50.2@38.086,66.627
  Bottom Layer w0.2: v3(36.449,66.675) 37.211,65.913 82.423,65.913 85.836,62.5 88.6,62.5 89.4,61.7 v1(91.524,61.7)
SNO8: Q17.1 R51.2 U20.4 | length 73.7
  Top Layer w0.3: Q17.1@19.558,66.675 19.621,66.611 21.018,66.611 v3(21.082,66.548) 22.767,66.548 R51.2@22.86,66.641 ; U20.4@87.772,61.425 87.772,61.55 87.822,61.6 v1(88.476,61.6)
  Bottom Layer w0.2: v3(21.082,66.548) 22.352,65.278 81.661,65.278 85.339,61.6 v1(88.476,61.6)
SNO9: Q18.1 R52.2 U22.4 | length 37.3
  Top Layer w0.2: Q18.1@65.135,54.168 65.235,54.068 R52.2@68.199,54.068 69.308,54.068 69.723,54.483 v1(69.723,56.642)
  Top Layer w0.3: U22.4@96.916,55.329 96.959,55.372 v1(97.917,55.372)
  Bottom Layer w0.2: v1(69.723,56.642) 70.485,57.404 89.096,57.404 89.985,56.515 92.964,56.515 93.345,56.134 97.155,56.134 v1(97.917,55.372)
SNO10: Q19.1 R53.2 U26.4 | length 48.5
  Top Layer w0.3: Q19.1@50.403,54.041 51.247,54.041 v3(51.816,54.61) 52.485,53.941 R53.2@53.467,53.941 ; U26.4@93.868,55.329 94.475,55.329 94.518,55.372 v1(94.572,55.372)
  Bottom Layer w0.2: v3(51.816,54.61) 69.469,54.61 71.628,56.769 88.9,56.769 89.669,56 92.082,56 92.71,55.372 v1(94.572,55.372)
SNO11: Q20.1 R54.2 U27.4 | length 60
  Top Layer w0.3: U27.4@90.82,55.329 91.427,55.329 91.47,55.372 v1(91.524,55.372)
  Top Layer w0.35: Q20.1@35.29,53.787 35.317,53.814 36.648,53.814 38.227,53.814 R54.2@38.354,53.687
  Bottom Layer w0.2: v3(36.649,53.813) 36.684,53.848 70.104,53.848 72.39,56.134 88.566,56.134 89.328,55.372 v1(91.524,55.372)
SNO12: Q21.1 R55.2 U24.4 | length 73.3
  Top Layer w0.3: U24.4@87.772,55.329 88.379,55.329 88.422,55.372 v1(88.476,55.372)
  Top Layer w0.4: Q21.1@19.288,54.295 19.338,54.245 22.683,54.245 R55.2@22.733,54.195
  Bottom Layer w0.2: v3(20.955,54.229) 21.971,54.229 23.241,52.959 70.358,52.959 72.771,55.372 v1(88.476,55.372)
SNO13: Q22.1 R56.2 U32.4 | length 30.8
  Top Layer w0.3: Q22.1@64.754,41.087 67.791,41.087 R56.2@67.818,41.114 70.578,41.114 74.676,45.212 93.534,45.212 93.584,45.262 U32.4@93.584,45.509
SNO14: Q23.1 R57.2 U33.4 | length 50.9
  Top Layer w0.3: Q23.1@50.657,41.087 53.367,41.087 R57.2@53.467,40.987 53.467,39.624 54.229,38.862 69.469,38.862 74.93,44.323 96.139,44.323 96.632,44.816 U33.4@96.632,45.509
SNO15: Q24.1 R58.2 U34.4 | length 70.9
  Top Layer w0.3: Q24.1@35.29,41.087 38.2,41.087 R58.2@38.227,41.114 38.227,38.735 39.116,37.846 69.85,37.846 75.438,43.434 98.552,43.434 99.68,44.562 U34.4@99.68,45.509
SNO16: Q25.1 R59.2 U35.4 | length 90.4
  Top Layer w0.3: Q25.1@20.05,41.214 22.76,41.214 R59.2@22.86,41.114 22.86,38.1 24.13,36.83 70.104,36.83 75.819,42.545 100.711,42.545 102.728,44.562 U35.4@102.728,45.509
SNO17: Q5.1 R43.1 U7.4 | length 92.4
  Top Layer w0.3: Q5.1@29.194,4.13 30.888,4.13 R43.1@30.988,4.03 31.022,4.064 v1(33.02,4.064) ; U7.4@94.346,37.381 94.346,36.21 v1(94.361,36.195)
  Bottom Layer w0.3: v1(33.02,4.064) 48.064,4.064 54.5,10.5 74.3,10.5 76.8,13 76.8,34.636 78.359,36.195 v1(94.361,36.195)
SNO18: Q4.1 R42.1 U10.4 | length 79.4
  Top Layer w0.3: Q4.1@45.704,1.717 49.01,1.717 49.793,2.5 v1(49.8,2.5) ; U10.4@97.394,37.381 97.394,36.21 v1(97.409,36.195)
  Bottom Layer w0.3: v1(49.8,2.5) 56.3,9 74.3,9 77.7,12.4 77.7,33.25 79.311,34.861 96.075,34.861 v1(97.409,36.195)
SNO21: Q26.1 R73.1 U51.4 | length 3.9
  Top Layer w0.4: U51.4@95.039,86.883 95.089,86.883 R73.1@95.089,88.9 95.139,88.95 95.139,90.644 Q26.1@95.189,90.694
SNO22: Q29.1 R64.1 U55.4 | length 11
  Top Layer w0.25: R64.1@87.63,24.037 87.73,23.937 Q29.1@89.424,23.937 89.424,25.035 93.868,29.479 U55.4@95.674,29.479
SNO23: Q28.1 R65.1 U56.4 | length 6.7
  Top Layer w0.4: R65.1@74.583,29.972 74.644,30.033 Q28.1@76.724,30.033 76.774,30.033 78.252,31.511 U56.4@80.688,31.511
SNODP1: Q1.1 R39.1 U1.4 | length 99.8
  Top Layer w0.3: Q1.1@26.273,15.179 27.967,15.179 R39.1@28.067,15.079 28.267,15.079 28.567,14.779 28.567,14.579 28.795,14.351 v1@47.618,14.351 ; v1(100.442,36.083) U1.4@100.442,37.381
  Bottom Layer w0.3: v1(47.625,14.351) 50.249,14.351 51.5,13.1 75,13.1 75.8,13.9 75.8,35.414 77.978,37.592 98.933,37.592 v1(100.442,36.083)
SNODP2: Q2.1 R40.1 U2.4 | length 88.7
  Top Layer w0.3: v1(45.085,23.241) 45.085,21.937 R40.1@45.178,21.844 45.178,18.277 Q2.1@45.405,18.05 ; U2.4@103.49,37.381 103.49,35.956 v1(103.505,35.941)
  Bottom Layer w0.3: v1(45.085,23.241) 46.101,23.241 53.542,15.8 71.4,15.8 74.9,19.3 74.9,36.165 77.335,38.6 100.846,38.6 v1(103.505,35.941)
SPI1_NSS: U15.3 U37.40 | length 8.5
  Top Layer w0.254: U15.3@114.151,65.974 115.636,65.974 116.332,65.278 116.332,62.738 117.214,61.856 U37.40@119.507,61.856
SPI1_SCK: U21.3 U37.35 | length 10.2
  Top Layer w0.254: U21.3@114.151,69.911 115.89,69.911 119.126,66.675 121.539,66.675 121.882,66.332 U37.35@121.882,65.306
SPI1_SDA: U16.3 U37.43 | length 6.1
  Top Layer w0.254: U16.3@114.151,62.037 116.017,62.037 117.698,60.356 U37.43@119.507,60.356
SPI2_NSS: U36.3 U37.140 | length 18.4
  Top Layer w0.254: U37.140@140.832,61.356 140.84,61.348 142.995,61.348 v1(143.002,61.341)
  Top Layer w0.3: v1(148.336,48.768) 148.364,48.74 149.661,48.74 U36.3@149.755,48.834
  Bottom Layer w0.254: v1(143.002,61.341) 147.828,56.515 147.828,49.276 v1(148.336,48.768)
SPI2_SCK: U25.3 U37.74 | length 34.5
  Top Layer w0.3: U37.74@121.882,43.906 121.882,45.682 123.317,47.117 125.73,47.117 v1(126.365,46.482) ; v1(142.8,52.6) 149.711,52.6 U25.3@149.755,52.644
  Bottom Layer w0.3: v1(126.365,46.482) 134.183,54.3 140.3,54.3 142,52.6 v1(142.8,52.6)
SPI2_SDA: U29.3 U37.76 | length 32.8
  Top Layer w0.3: U37.76@122.882,43.906 122.882,45.158 123.952,46.228 v1(124.714,46.228) ; v1(145.796,56.388) 145.824,56.36 149.661,56.36 U29.3@149.755,56.454
  Bottom Layer w0.3: v1(124.714,46.228) 134.186,55.7 142.568,55.7 143.272,56.404 145.78,56.404 v1(145.796,56.388)
STLK_5V: CR4.4 D27.2 J2.1 R26.2 | length 55
  Top Layer w0.4: CR4.4@167.55,57.276 167.55,62.175 167.775,62.4 D27.2@167.875,62.5 ; R26.2@174.15,24.4 175.8,24.4 177,25.6 177,47.841 174.841,50
  Top Layer w1.2: D27.2@167.875,62.5 168.275,62.1 173.2,62.1 176.149,59.151 176.149,51.308 174.841,50 J2.1@173.2,50
STLK_SWCLK: CR4.1 J2.4 U37.109 | length 40.7
  Top Layer w0.25: U37.109@140.757,45.856 140.782,45.831 148.86,45.831 150.691,44 157.1,44 165.65,52.55 CR4.1@165.65,54.724 165.65,55.65 166.1,56.1 171.68,56.1 J2.4@173.2,57.62
STLK_SWDIO: CR4.3 J2.3 U37.105 | length 45.9
  Top Layer w0.25: U37.105@137.382,43.981 U37.105@137.382,43.906 137.382,42.196 138.684,40.894 149.479,40.894 150.585,42 157.9,42 167.55,51.65 CR4.3@167.55,54.724 167.55,54.946 167.679,55.075 173.195,55.075 J2.3@173.2,55.08
TIMPOUT: K22.2 R37.2 R66.2 U49.1 | length 16.7
  Top Layer w0.4: R66.2@82.873,17.78 82.873,16.129 U49.1@83.382,16.129 85.09,16.129 87.249,18.288 ; R37.2@85.979,19.058 85.997,19.04 86.497,19.04 87.249,18.288 ; K22.2@94.361,15.621 91.694,18.288 87.249,18.288
USB_D_N: J7.2 U40.5 | length 15.4
  Top Layer w0.2: U40.5@165.265,38.989 165.989,38.989 166.243,38.735 166.243,35.486 166.423,35.306 166.868,35.306 167,35.438 167,37.841 167.132,37.973 167.868,37.973 168,37.841 168,35.438 168.132,35.306 169.275,35.306 169.407,35.438 J7.2@169.407,38.171
USB_D_P: J7.3 U40.6 | length 15.5
  Top Layer w0.2: U40.6@165.265,39.489 167.373,39.489 167.505,39.621 167.505,41.902 168.021,42.418 172.339,42.418 173.101,41.656 173.101,38.735 172.537,38.171 J7.3@171.407,38.171
USB_VDD: CR2.2 J7.1 R25.2 S1.1 VUSB.1 | length 52.9
  Top Layer w0.4: VUSB.1@164.719,33.041 166.76,31 173.2,31 173.894,30.306 173.894,29.456 R25.2@174.05,29.3 ; CR2.2@166,46.343 166,47.6 168.6,50.2 v13(169.4,50.2)
  Bottom Layer w0.4: VUSB.1@164.719,32.718 VUSB.1@164.719,33.041 164.719,35.983 J7.1@169.407,40.671
  Bottom Layer w1.2: J7.1@169.407,40.671 169.407,60.507 S1.1@173.7,64.8
USER_LED: R36.2 U37.7 | length 10.7
  Top Layer w0.2: U37.7@135.882,65.306 135.882,68.318 136.779,69.215 138.684,69.215 139.319,69.85 R36.2@139.319,73.513
VAC_Curr: K3.4 U53.3 | length 18.9
  Top Layer w0.6: K3.4@74.295,94.488 76.454,92.329 76.454,84.328 78.486,82.296 81.25,82.296 82.611,80.935 82.611,80.635 U53.3@82.616,80.63
VOUT1: K3.2 U9.6 U9.7 | length 52.3
  Top Layer w0.6: v4(126.365,94.361) U9.6@130.251,94.361 U9.7@130.251,93.091
  Bottom Layer w0.6: K3.2@84.455,94.488 90.043,100.076 121.624,100.076 126.365,95.335 v4(126.365,94.361)
VREFN: C78.1 C80.2 U37.31 | length 4.4
  Top Layer w0.254: C78.1@123.607,69.469 123.738,69.338 123.738,68.54 124.071,68.207 124.071,67.175 123.882,66.986 U37.31@123.882,65.306
VREFP: C78.2 C80.1 U37.32 | length 4.8
  Top Layer w0.25: C78.2@121.757,69.469 121.757,69.244 122.946,68.055 122.946,67.816 C80.1@123.071,67.691 123.071,67.175 123.382,66.864 U37.32@123.382,65.306
pads on no net: CN1.3 CR4.5 CR4.6 U4.7 U28.7 U31.7 U37.23 U37.24 U37.28 U37.34 U37.36 U37.37 U37.41 U37.42 U37.69 U37.75 U37.96 U37.98 U37.99 U37.100 U37.101 U37.102 U37.110 U37.111 U37.112 U37.113 U37.134 U37.135 U37.137 U37.139 U40.4 U41.1 U41.4 U41.5 U42.4 U43.4 U44.1 U44.7 U50.4 U52.7 U57.4

## Polygon pours and split planes (outlines as drawn)
5V on Top Layer (solid, remove dead copper, pour order 13): 52.2,9.2 54.5,11.5 55.9,12.9 55.9,18.3 58,20.4 77.6,20.4 80.6,17.4 81.2,17.4 82.8,19 85.7,19 85.7,28.1 82.1,31.7 62.4,31.7 54.5,23.8 54.5,20.6 54.5,15 52.2,12.7 52.2,37.5 68.9,37.5 76.2,44.8 85.852,44.8 85.852,70.358 97.155,70.358 108.077,81.28 138.748,81.28 139.6,82.132 139.6,90.4 144,90.4 144,92.6 143.95,92.65 145.534,94.234 146.366,94.234 147.3,93.3 147.3,90.825 147.447,90.678 153.416,90.678 155.956,88.138 155.956,81.256 151.6,76.9 ccw(c152.317,76.183) 151.303,76.183 151.303,75.997 151.6,75.7 151.9,75.4 158.813,68.487 158.813,63.3 ccw(c161.274,62.995) 161.216,60.516 165.8,60.516 165.9,60.5 ccw(c165.9,61) 166.4,61 166.4,63.8 170.5,63.8 ccw(c170.5,64.3) 171,64.3 171,66.6 cw(c171.7,66.6) 171.7,67.3 175.476,67.3 ccw(c175.476,68.1) 176.276,68.1 176.276,71.3 ccw(c175.188,71.312) 175.2,72.4 175,72.4 170.8,72.4 170.678,72.4 ccw(c170.677,70.523) 169.35,71.85 167.4,69.9 161.3,69.9 cw(c161.3,70.822) 160.378,70.822 160.378,89.873 ccw(c158.075,89.874) 159.703,91.503 154.686,96.52 151.88,96.52 149.569,98.831 131.463,98.788 128.295,101.956 4.47,101.955 ccw(c4.47,99.39) 1.905,99.394 1.905,2.997 ccw(c4.47,2.997) 4.47,0.432 52.2,0.432 52.2,9.4
3V3 on Top Layer "3V3_L01_P011" (solid, remove dead copper, pour order 11): 118.746,65.786 141.224,65.786 141.224,45.72 148.336,45.72 150.114,43.942 150.114,42.164 149.098,41.148 140.081,41.148 137.668,43.561 118.872,43.561 118.495,43.938
0V5 on Top Layer "0V5_L01_P009" (solid, remove dead copper, pour order 9): 143.383,12.827 cw(c143.383,12.065) 144.145,12.065 144.145,2.794 cw(c143.256,2.794) 143.256,1.905 137.16,1.905 cw(c137.16,2.794) 136.271,2.794 136.271,12.065 cw(c137.033,12.065) 137.033,12.827
3V3 on Top Layer "3V3_L01_P008" (solid, remove dead copper, pour order 8): 148.59,1.27 cw(c148.59,2.286) 147.574,2.286 147.574,11.351 158.925,11.351 ccw(c158.925,12.446) 160.02,12.446 160.02,19.98 160.02,21.06 ccw(c157.48,21.06) 157.48,23.6 149.074,23.6 cw(c149.074,25.1) 147.574,25.1 147.574,36.83 cw(c148.344,36.83) 148.344,37.6 155.6,37.6 cw(c155.6,36.101) 157.099,36.101 157.099,29.901 ccw(c157.9,29.901) 157.9,29.1 162,29.1 cw(c162,27.8) 163.3,27.8 163.3,3 cw(c161.57,3) 161.57,1.27
3V0 on Top Layer "3V0_L01_P010" (solid, pour order 10): 156.4,17.907 cw(c156.4,17.516) 156.791,17.516 156.845,17.364 156.845,13 cw(c156.122,13.023) 156.1,12.3 147.847,12.3 cw(c147.847,12.573) 147.574,12.573 147.574,17.018 cw(c148.463,17.018) 148.463,17.907
GND on Layer 2 "GND_L02_P000" (solid, pour order 0): 0.8,98.235 cw(c4.8,98.235) 4.8,102.235 173.711,102.235 cw(c173.711,98.146) 177.8,98.146 177.8,4 cw(c173.799,4) 173.799,-0.001 173.761,0 5.715,0 4.8,0 cw(c4.8,4) 0.8,4
GND on Layer 3 "GND_L03_P002" (solid, pour order 2): 5.791,102.235 4.8,102.235 ccw(c4.8,98.235) 0.8,98.235 0.8,4 ccw(c4.8,4) 4.8,0 5.131,0 172.542,0 173.8,0 ccw(c173.8,4) 177.8,4 177.8,98.235 ccw(c173.8,98.235) 173.8,102.235 173.609,102.235

## Other copper
Top Layer:
  pour cut-out: 125.672,81.28 125.672,81.328 122.565,84.435 119.38,84.435 119.38,81.579 119.68,81.28
  pour cut-out: 111.713,86.601 111.712,86.6 107.8,86.6 107.8,89.9 108.7,89.9 109.4,90.6 112.8,90.6 112.8,89.9 111.7,88.8 111.713,88.787

## Silkscreen, mask and mechanical layers (free items; w line width, h text height)
Top Overlay:
  lines w0.2: 104.813,71.963 114.084,81.234 ; 108.839,72.136 116.332,79.629 ; 131.572,16.256 131.572,17.907 131.953,18.288 131.953,20.193 132.588,20.828 ; 144.272,81.026 144.272,80.518 144.272,80.264 156.464,68.072 156.464,61.087 156.464,60.706 ; 146.812,80.518 158.75,68.58 158.75,49.403 158.496,49.149 157.099,47.752
  text "GND" at 130.048,98.298 h1 r90
  text "*" at 140.081,63.378 h3
  text "Team OrcaProbe" at 3.302,41.068 h2 r270
  text "Rev2" at 3.602,20.528 h1.5 r270
  text "GND" at 164.454,1.154 h1
Mechanical 1:
  lines w0.1: 0.8,4 ccw(c4.8,4) 4.8,0 173.8,0 ccw(c173.8,4) 177.8,4 177.8,98.235 ccw(c173.8,98.235) 173.8,102.235 4.8,102.235 ccw(c4.8,98.235) 0.8,98.235 0.8,4.585 0.8,4

## Text inside footprints (layer, text, board x,y; h text height)
CR1: Top Overlay "*" at 161.544,93.218 h1.27; Top 3D Body "*" at 163.119,93.218 h1.27
CR2: Top Overlay "*" at 166.635,42.279 h1.27 r90; Top 3D Body "*" at 166.635,44.235 h1.27 r90
CR4: Top Overlay "*" at 164.841,53.945 h1.27 r90; Top 3D Body "*" at 166.498,55.263 h1.27 r90
D3: Top Overlay "+" at 136.404,78.671 h0.89
D22: Top Overlay "+" at 171.38,24.65 h0.8 r180
D23: Top Overlay "+" at 171.48,20.05 h0.8 r180
D28: Top Overlay "+" at 171.38,29.25 h0.8 r180
J2: Top Overlay "CLK" at 171.1,56.8 h0.7 r90; Top Overlay "IO" at 171.1,54.5 h0.7 r90; Top Overlay "GND" at 171.1,51.8 h0.7 r90; Top Overlay "5V" at 171.2,49.5 h0.7 r90
U3: Top Overlay "*" at 129.667,84.582 h0.7; Top 3D Body "*" at 131.407,83.083 h0.7
U4: Top Overlay "*" at 130.429,89.916 h0.7; Top 3D Body "*" at 131.533,88.546 h0.7
U5: Top Overlay "*" at 146.685,62.865 h0.7 r90; Top 3D Body "*" at 148.006,64.173 h0.7 r90
U6: Top Overlay "*" at 124.079,71.247 h0.7 r90; Top 3D Body "*" at 125.273,72.555 h0.7 r90
U8: Top Overlay "*" at 133.096,23.114 h1.27 r90; Top 3D Body "*" at 134.31,24.638 h1.27 r90
U9: Top Overlay "*" at 135.75,91.389 h1.27 r180; Top 3D Body "*" at 135.75,91.389 h1.27 r180
U23: Top Overlay "*" at 104.902,86.106 h0.7; Top 3D Body "*" at 107.15,84.734 h0.7
U28: Top Overlay "*" at 105.156,91.694 h0.7; Top 3D Body "*" at 107.149,90.197 h0.7
U30: Top Overlay "*" at 111.62,93.421 h1.27 r180; Top 3D Body "*" at 111.62,93.421 h1.27 r180
U38: Top Overlay "*" at 119.126,23.241 h0.7 r90; Top 3D Body "*" at 121.031,24.613 h0.7 r90
U39: Top Overlay "*" at 108.077,31.369 h0.7 r90; Top 3D Body "*" at 110.49,32.868 h0.7 r90
U41: Top Overlay "*" at 149.041,6.68 h0.7 r180; Top 3D Body "*" at 147.726,7.861 h0.7 r180
U43: Top Overlay "*" at 56.769,24.638 h1.27; Top 3D Body "*" at 59.131,23.988 h1.27
U57: Top Overlay "*" at 78.359,3.81 h1.27; Top 3D Body "*" at 80.594,3.16 h1.27
Y1: Top Overlay "*" at 138.798,93.413 h0.6 r270
Y2: Top Overlay "*" at 113.981,99.417 h0.6 r270